# KiCad board FC_V5c.kicad_pcb
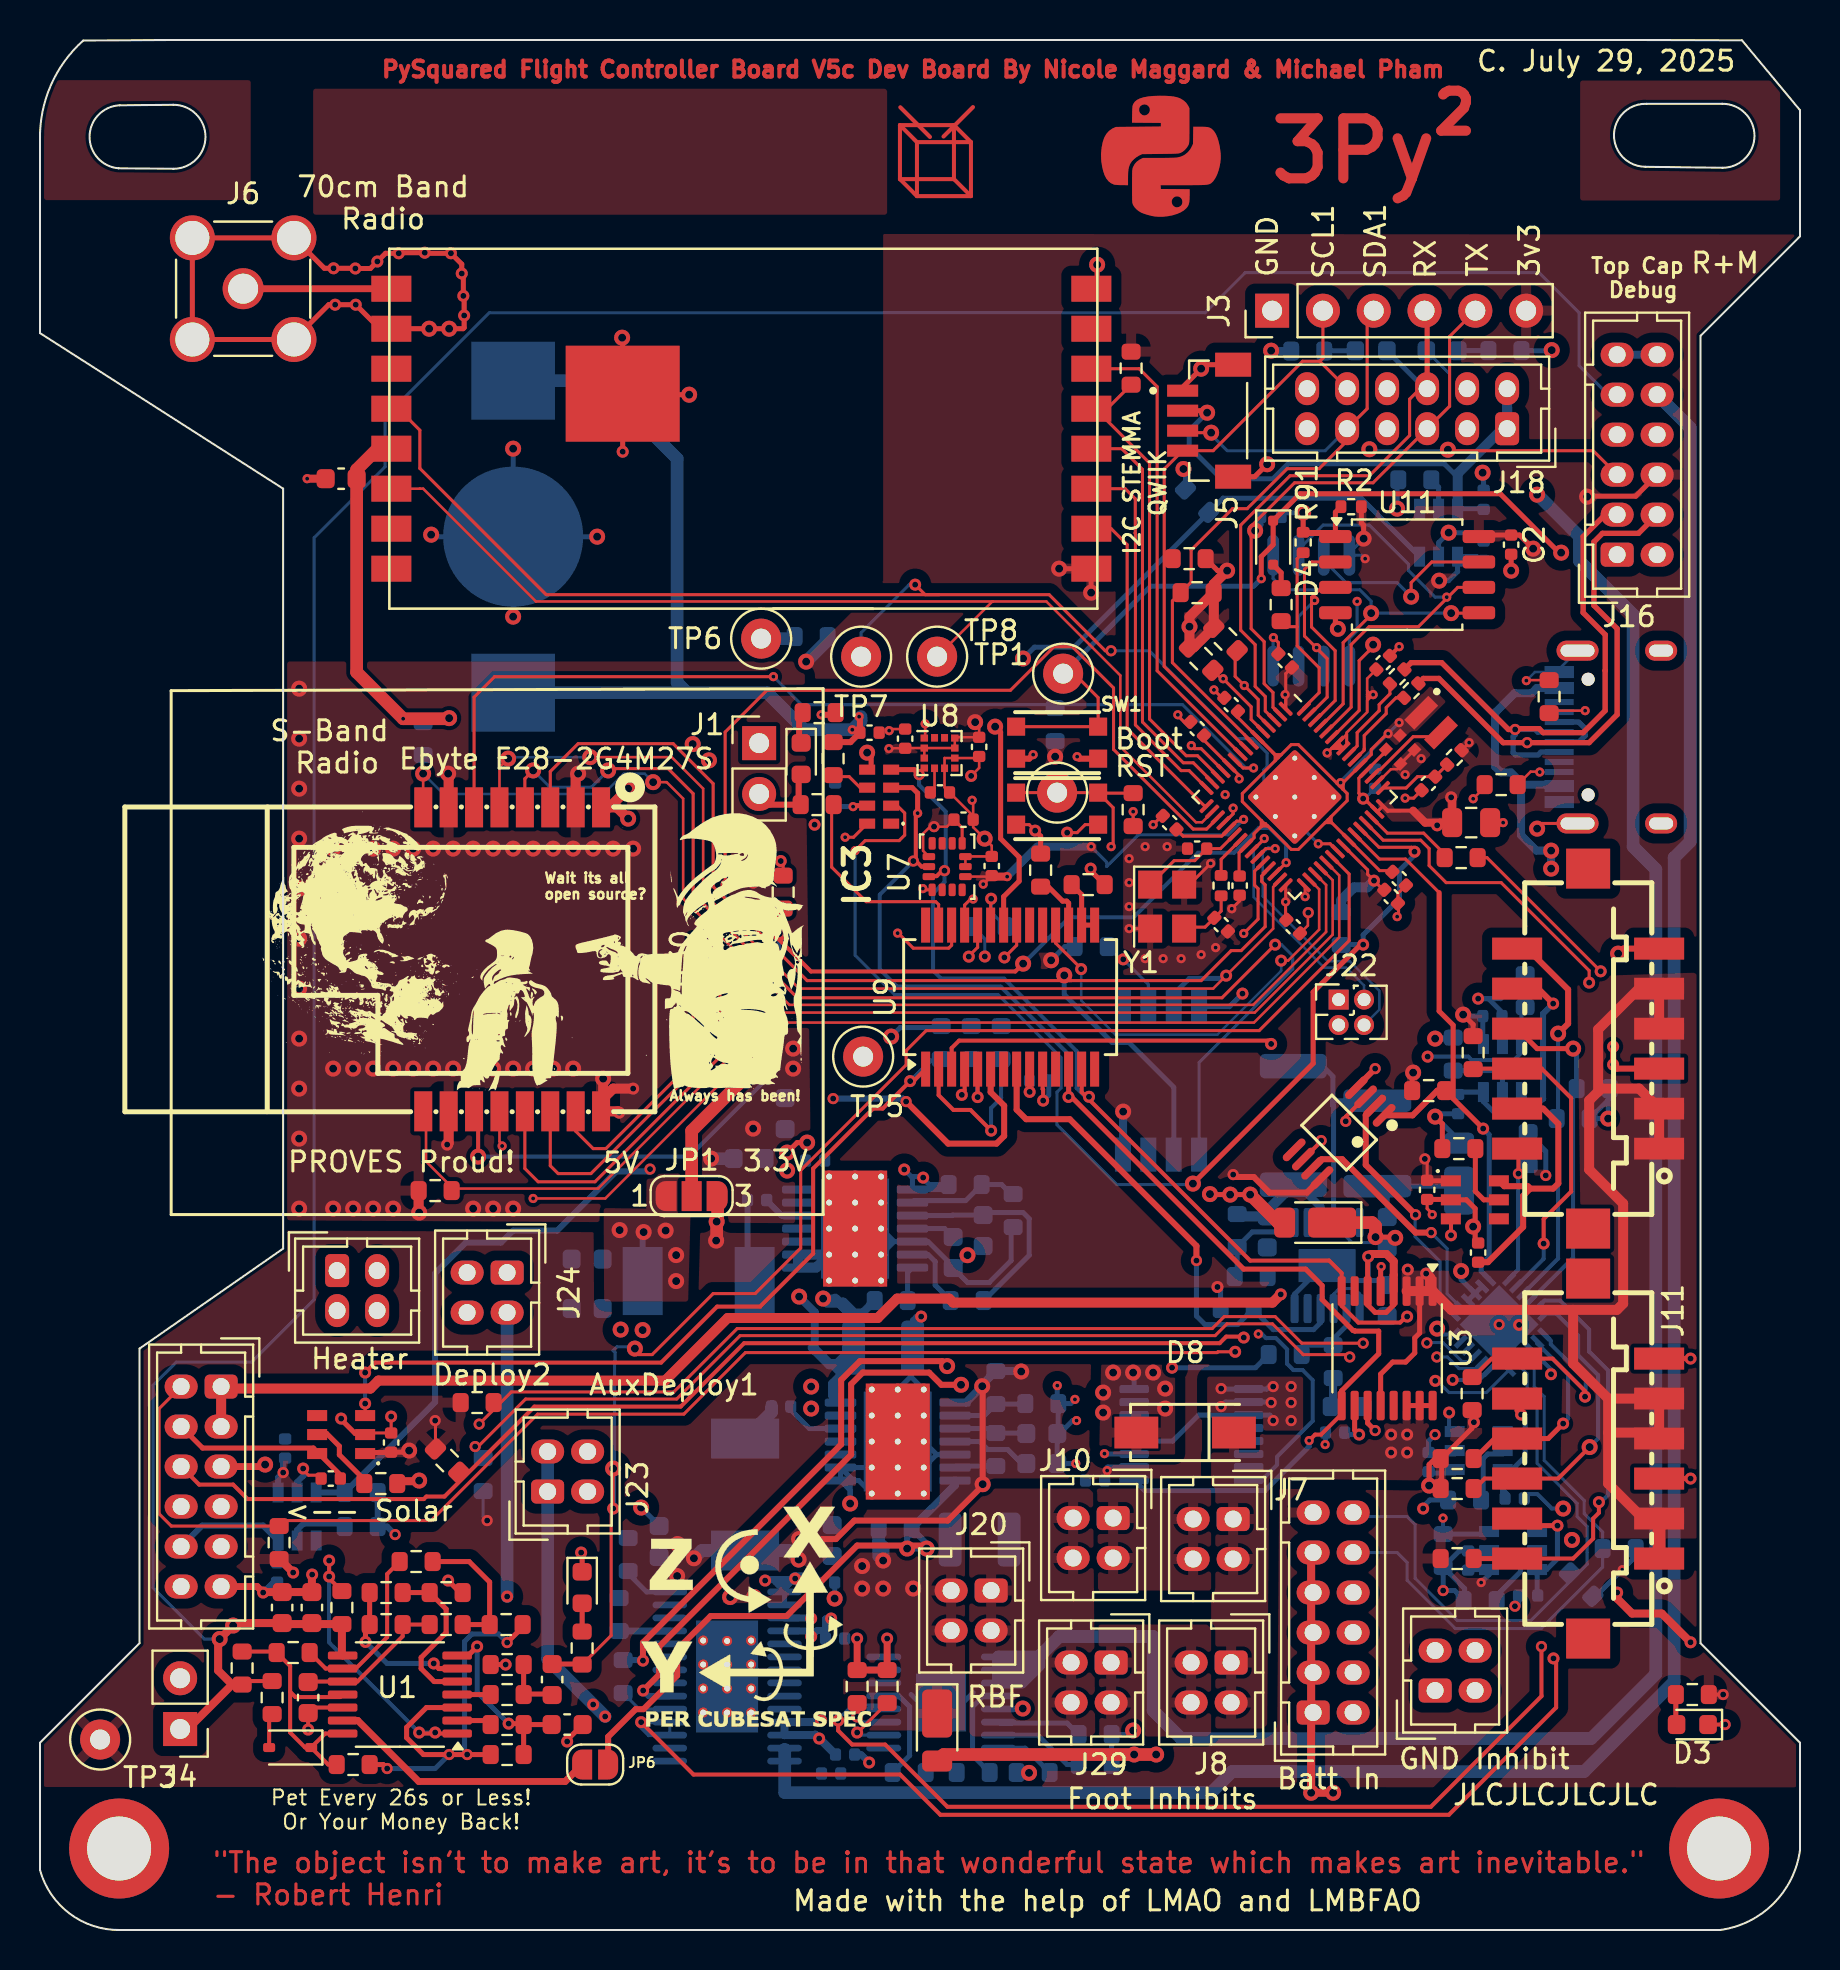
[diagram p0: board, top side]
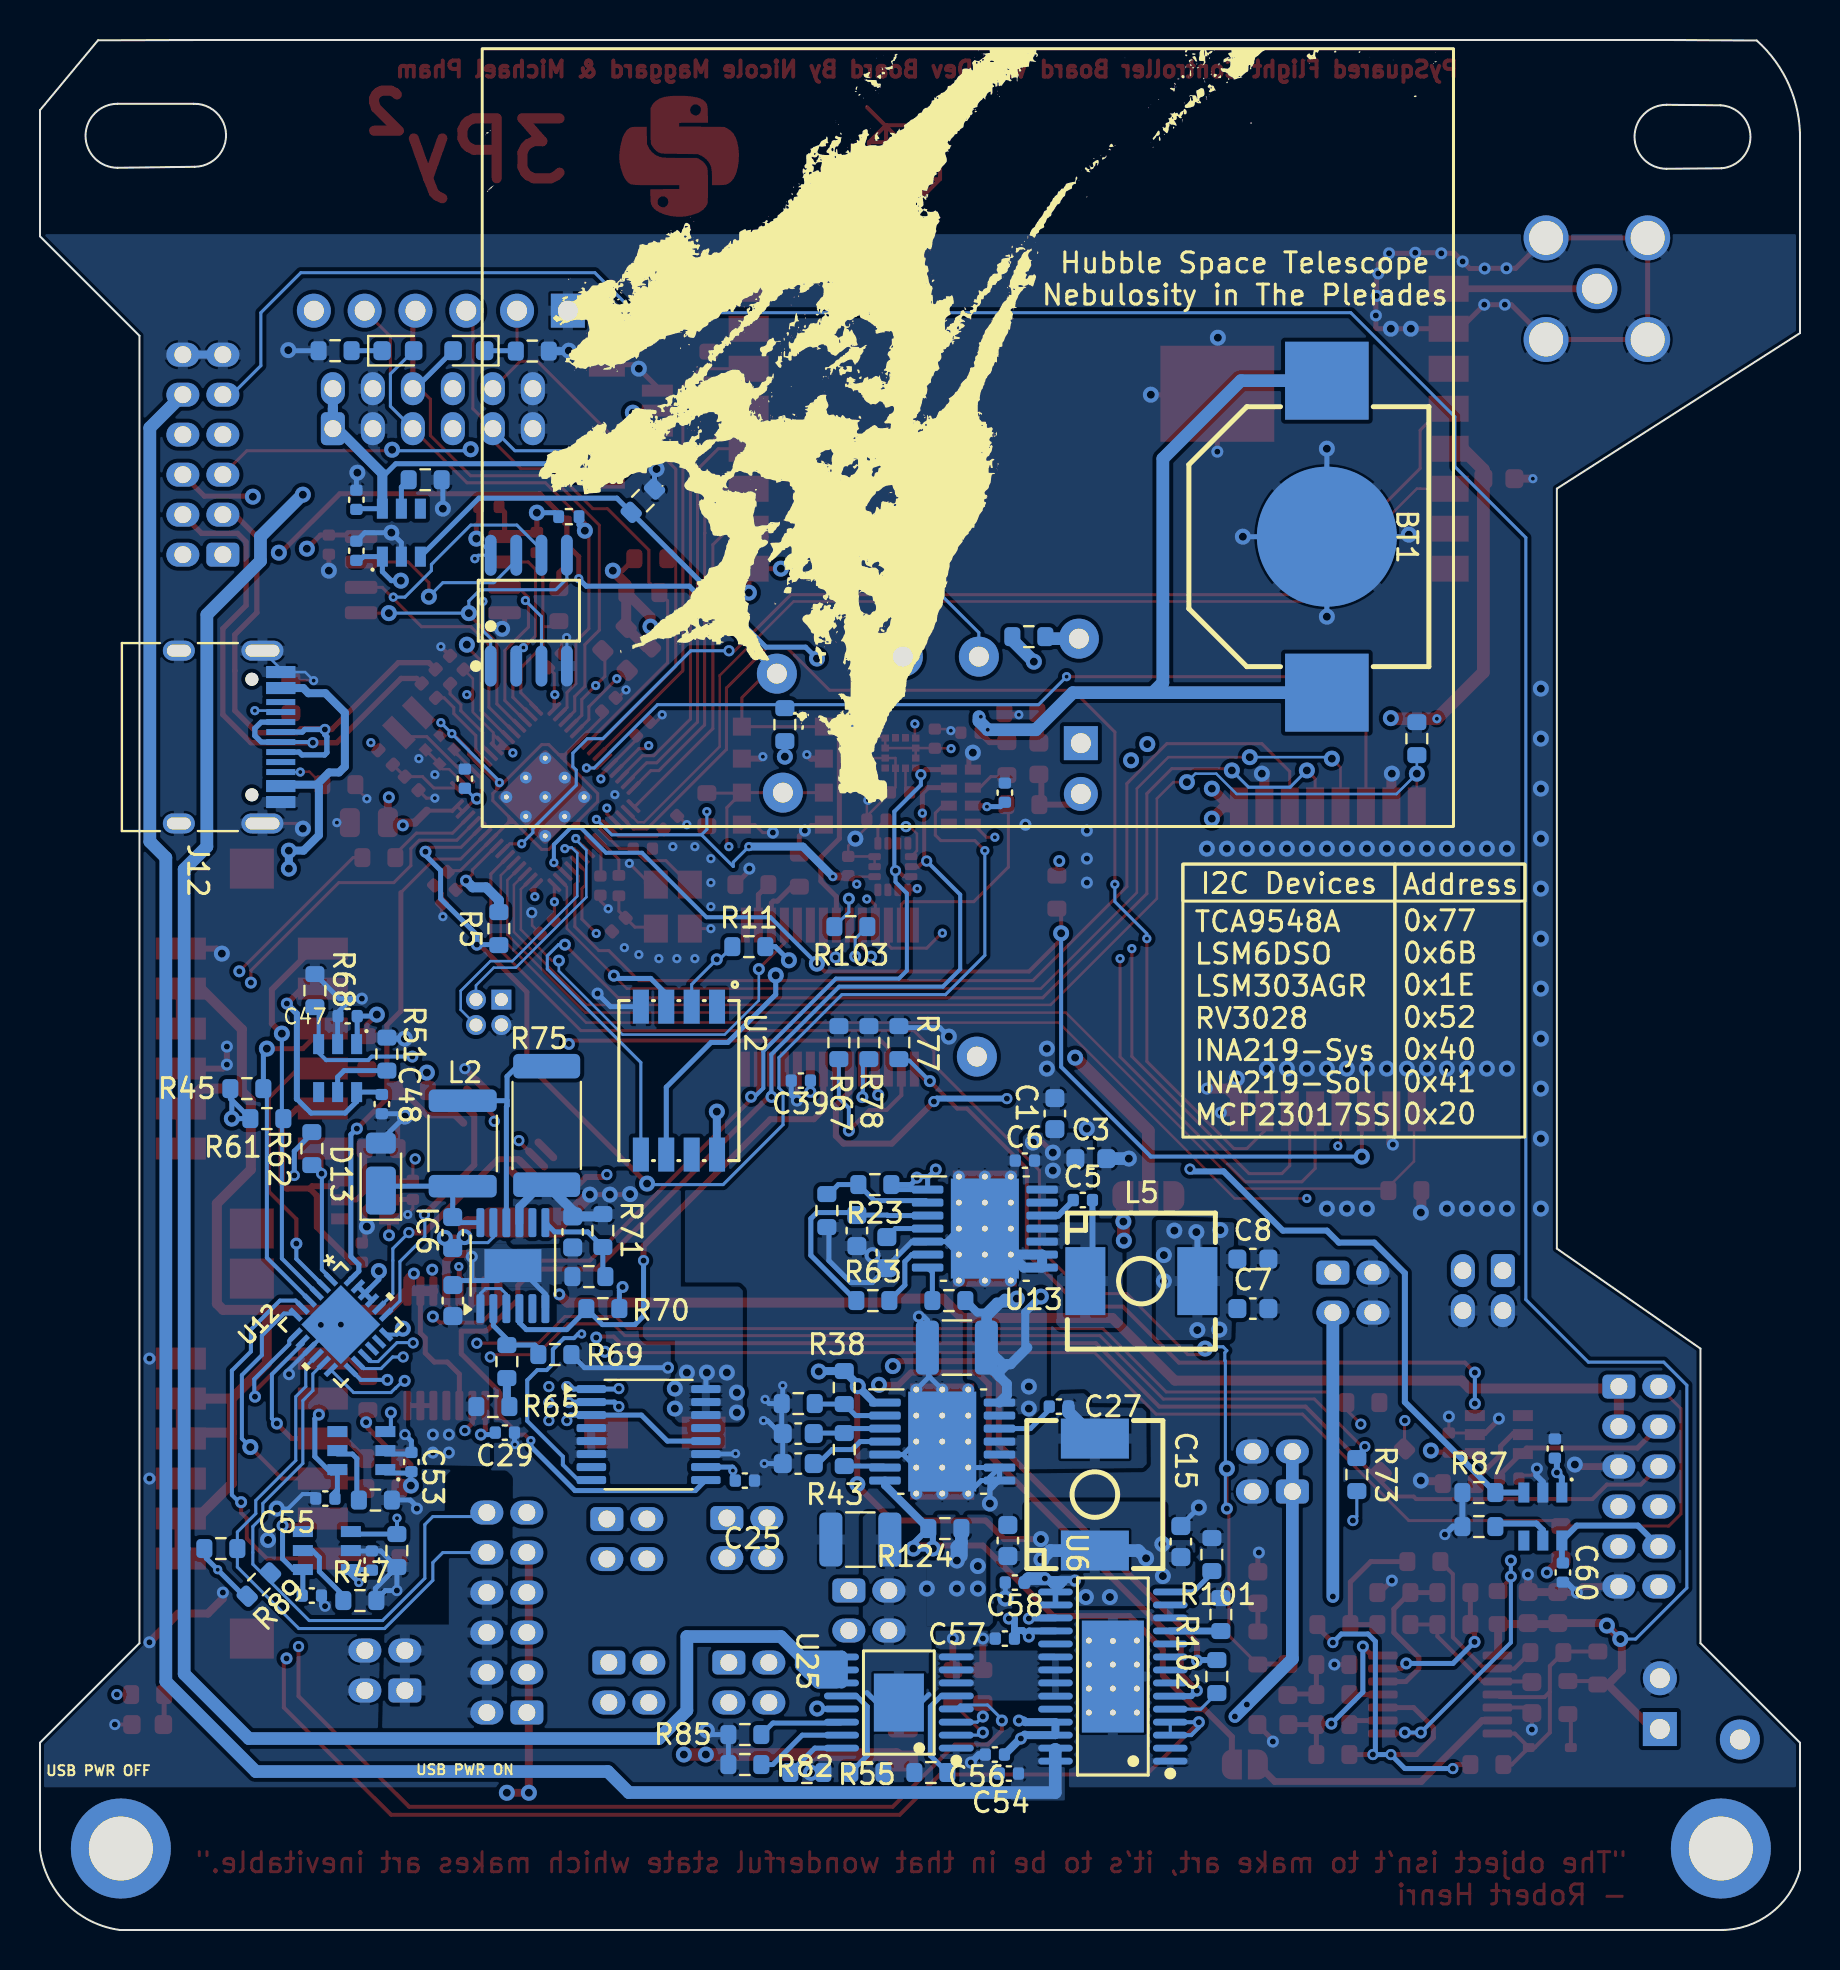
[diagram p1: board, bottom side, seen from below]

Outline 88 x 94.51 mm; copper layers: Top, In1.Cu, In2.Cu, Bottom. Coordinates in mm from the lower left corner of the outline.
Outline path: 0,89.5 arc(0.53,92.23) 2.16,94.49 6.63,94.51 79.66,94.51 85.1,94.5 88,91 88,84.69 83.03,79.72 83.03,14.34 88,9.36 88,4 arc(86.68,1.32) 84,0 4,0 arc(1.49,0.82) 0,3 0,9.36 4.98,14.34 4.98,29.07 12.16,34.07 12.16,72.07 0,79.85 0,89.5 ; 3.92,88.1 arc(2.48,89.69) 3.97,91.24 6.67,91.27 arc(8.27,89.67) 6.67,88.07 3.92,88.1 ; 80.27,88.17 arc(78.7,89.77) 80.32,91.32 84.12,91.32 arc(85.72,89.72) 84.12,88.12 80.27,88.17
Stack: Top 0.035mm / dielectric 0.2104mm FR4 er 4.5 / In1.Cu 0.0152mm / dielectric 1.065mm FR4 er 4.5 / In2.Cu 0.035mm / dielectric 0.2104mm FR4 er 4.5 / Bottom 0.035mm

## Placement (name value [footprint] x y rotation side)
BT1  MY-1220-03  [BAT-SMD_MY-1220-03]  23.66 69.67 270 bottom
C1  10uF  [C_0603_1608Metric]  37.26 40.82 90 bottom
C2  100n  [C_0402_1005Metric]  73.56 69.27 270 top
C3  10uF  [C_0603_1608Metric]  35.46 38.57 180 bottom
C4  1uF  [C_0603_1608Metric]  47.16 34.97 270 bottom
C5  100nf  [C_0402_1005Metric]  35.86 36.5 180 bottom
C6  100nf  [C_0402_1005Metric]  38.76 38.47 180 bottom
C7  22uF  [C_0603_1608Metric]  27.36 31.07 180 bottom
C8  22uF  [C_0603_1608Metric]  27.36 33.55 180 bottom
C9  3.3nF  [C_0603_1608Metric]  45.66 33.87 90 bottom
C14  10uF  [C_0603_1608Metric]  15.06 72.57 0 top
C15  22uF  [C_0603_1608Metric]  30.96 19.42 270 bottom
C16  22uF  [C_0603_1608Metric]  39.61 19.47 270 bottom
C18  100nf  [C_0402_1005Metric]  39.76 56.87 90 bottom
C19  100uF  [C_1210_3225Metric]  42.16 29.12 0 bottom
C20  10uF  [C_0603_1608Metric]  25.61 12.52 270 top
C21  10uF  [C_0603_1608Metric]  26.36 10.27 180 top
C22  10uF  [C_0603_1608Metric]  13.59 16.12 270 top
C23  10uF  [C_0603_1608Metric]  12.11 16.12 270 top
C24  10uF  [C_0603_1608Metric]  13.41 11.62 90 top
C25  100uF  [C_1210_3225Metric]  46.98 19.52 0 bottom
C26  100nf  [C_0402_1005Metric]  41.48 59.87 0 top
C27  100nf  [C_0402_1005Metric]  37.06 26.17 0 bottom
C29  100nf  [C_0402_1005Metric]  64.76 24.87 0 bottom
C30  100nf  [C_0402_1005Metric]  52.76 22.47 180 bottom
C31  220nf  [C_0402_1005Metric]  45 56.88 0 top
C32  100nf  [C_0402_1005Metric]  46.18 55.52 0 top
C33  100nf  [C_0402_1005Metric]  43.26 59.57 90 top
C34  100nf  [C_0402_1005Metric]  46.96 59.16 270 top
C35  100nf  [C_0402_1005Metric]  47.59 53.2 90 top
C36  3.3nF  [C_0603_1608Metric]  50.09 23.32 0 bottom
C37  1uF  [C_0603_1608Metric]  50.09 24.82 0 bottom
C38  100nf  [C_0402_1005Metric]  69.36 37.01 270 top
C39  100nf  [C_0402_1005Metric]  49.96 42.47 0 bottom
C40  10uF  [C_0603_1608Metric]  67.36 31.47 90 bottom
C41  1uF  [C_0603_1608Metric]  67.37 34.87 270 bottom
C42  10uF  [C_0603_1608Metric]  61.37 34.91 270 bottom
C44  100nf  [C_0402_1005Metric]  71.91 33.87 90 top
C47  100nf  [C_0402_1005Metric]  72.62 45.7 0 bottom
C48  100nf  [C_0402_1005Metric]  70.91 41.3 270 bottom
C49  100nf  [C_0402_1005Metric]  71.41 18.47 90 bottom
C50  100nf  [C_0402_1005Metric]  17.56 24.37 90 top
C51  100nf  [C_0402_1005Metric]  74.41 16.72 180 bottom
C52  100nf  [C_0402_1005Metric]  14.54 22.57 180 top
C53  100nf  [C_0402_1005Metric]  69.43 23.4 90 bottom
C54  220nf  [C_0402_1005Metric]  39.56 7.82 0 bottom
C55  100nf  [C_0402_1005Metric]  73.73 21.57 0 bottom
C56  220nf  [C_0402_1005Metric]  40.26 8.77 0 bottom
C57  220nf  [C_0402_1005Metric]  39.76 14.57 0 bottom
C58  220nf  [C_0402_1005Metric]  39.26 17.37 0 bottom
C59  100nf  [C_0402_1005Metric]  12.26 24.07 90 bottom
C60  100nf  [C_0402_1005Metric]  11.86 17.87 270 bottom
C63  15p  [C_0402_1005Metric]  57.86 54.07 180 top
C64  15p  [C_0402_1005Metric]  59.06 50.27 315 top
C65  4.7u  [C_0402_1005Metric_small_pads]  67.66 58.67 315 top
C66  4.7u  [C_0402_1005Metric_small_pads]  68.36 59.37 315 top
C67  100n  [C_0402_1005Metric]  67.96 52.57 315 top
C68  4.7u  [C_0402_1005Metric]  69.42 57.34 225 top
C69  4.7u  [C_0402_1005Metric]  59.56 61.27 135 top
C70  100n  [C_0402_1005Metric]  59.98 52.22 270 top
C71  100n  [C_0402_1005Metric]  56.48 55.37 135 top
C72  100n  [C_0402_1005Metric]  57.86 60.07 135 top
C73  100n  [C_0402_1005Metric]  62.26 63.47 135 top
C74  100n  [C_0402_1005Metric]  67.16 63.37 45 top
C75  10u  [C_0805_2012Metric]  71.56 55.37 0 top
C76  100n  [C_0402_1005Metric]  66.76 57.57 90 bottom
C77  100n  [C_0402_1005Metric]  67.56 51.67 315 top
C78  100n  [C_0402_1005Metric]  62.66 50.17 315 top
C79  100nf  [C_0402_1005Metric]  72.18 68.97 90 bottom
C80  100nf  [C_0402_1005Metric]  72.18 71.52 90 bottom
D1  LED  [LED_0603_1608Metric]  70.11 78.97 180 bottom
D2  LED  [LED_0603_1608Metric]  66.56 78.97 0 bottom
D3  LED  [LED_0603_1608Metric]  82.62 10.27 180 top
D4  NSR0320  [D_SOD-323F]  61.66 69.37 270 top
D5  LED  [LED_0603_1608Metric]  38.06 58.57 270 top
D6  GREEN  [LED_0603_1608Metric]  27.11 17.12 270 top
D7  1N4151WS  [D_SOD-323]  12.51 9.12 180 top
D8  KCMSH3-40MA  [SMA_L4.3-W2.5-LS5.0-FD]  57.26 24.87 0 top
D12  DFLS130L  [D_PowerDI-123]  63.76 35.37 180 top
D13  DFLS130L-7  [D_PowerDI-123]  70.96 37.82 90 bottom
D15  DFLS130L  [D_PowerDI-123]  44.86 9.97 270 top
G***  -  [LOGO]  56.03 88.1 0 top
G***#2  -  [LOGO]  56.03 88.1 0 top
G***#3  -  [LOGO]  23.74 49.37 0 top
G***#4  -  [LOGO]  27.66 89.07 0 top
G***#5  -  [LOGO]  42.96 74.77 180 bottom
H1  MountingHole  [unnamed]  3.96 4.07 0 top
H2  MountingHole  [unnamed]  83.96 4.07 0 top
IC3  RV-3028-C7_32.768kHz_1ppm_TA_QC  [RV3028C7]  41.96 56.67 90 top
IC6  LT3652IMSE#PBF  [MSOP-12-1EP_3x4mm_P0.65mm_EP1.65x2.85mm]  64.36 33.22 90 bottom
J1  Conn_01x02  [PinHeader_1x02_P2.54mm_Vertical#2]  35.96 59.35 0 top
J2  DF11CZ-12DP-2V(27)  [CONN-SMD_12P-P2.00_DF11CZ-12DP]  77.41 44.07 90 top
J3  Life Makes Lemonade  [PinHeader_1x06_P2.54mm_Vertical]  61.61 80.97 90 top
J4  Conn_01x02  [PinHeader_1x02_P2.54mm_Vertical]  7.01 10.05 180 top
J5  BM04B-SRSS-TB(LF)(SN)  [JST_BM04B-SRSS-TB(LF)(SN)]  59.66 75.47 270 top
J6  Conn_Coaxial  [SMA_Amphenol_901-144_Vertical]  10.16 82.07 0 top
J7  INHIBIT_P1  [Hirose_DF11-4DP-2DSA_2x02_P2.00mm_Vertical]  59.66 20.55 270 top
J8  INHIBIT_S1  [Hirose_DF11-4DP-2DSA_2x02_P2.00mm_Vertical]  59.56 13.37 270 top
J10  INHIBIT_P2  [Hirose_DF11-4DP-2DSA_2x02_P2.00mm_Vertical]  53.66 20.6 270 top
J11  DF11CZ-12DP-2V(27)  [CONN-SMD_12P-P2.00_DF11CZ-12DP]  77.41 23.57 90 top
J12  USB_C_Receptacle_USB2.0_16P  [USB_C_Receptacle_HRO_TYPE-C-31-M-12]  80.01 59.65 270 bottom
J14  Battery Input  [Hirose_DF11-12DP-2DSA_2x06_P2.00mm_Vertical]  63.66 10.87 90 top
J16  DEBUG  [Hirose_DF11-12DP-2DSA_2x06_P2.00mm_Vertical]  78.86 68.77 90 top
J17  Face4 (Z- Face)  [Hirose_DF11-12DP-2DSA_2x06_P2.00mm_Vertical]  9.06 27.17 270 top
J18  Payload  [Hirose_DF11-12DP-2DSA_2x06_P2.00mm_Vertical]  73.36 75.07 180 top
J19  ISS_INHIBIT  [Hirose_DF11-4DP-2DSA_2x02_P2.00mm_Vertical]  69.76 11.97 90 top
J20  RBF_Inhibit  [Hirose_DF11-4DP-2DSA_2x02_P2.00mm_Vertical]  47.56 16.97 270 top
J21  Heater Output  [Hirose_DF11-4DP-2DSA_2x02_P2.00mm_Vertical]  14.86 32.97 0 top
J22  SWD Port  [PinHeader_2x02_P1.27mm_Vertical]  64.93 46.52 0 top
J23  Aux Deploy 1  [Hirose_DF11-4DP-2DSA_2x02_P2.00mm_Vertical]  25.38 21.92 90 top
J24  Deploy 2  [Hirose_DF11-4DP-2DSA_2x02_P2.00mm_Vertical]  23.36 32.87 270 top
J29  INHIBIT_S2  [Hirose_DF11-4DP-2DSA_2x02_P2.00mm_Vertical]  53.56 13.37 270 top
JP1  Jumper_3_Bridged12  [SolderJumper-3_P1.3mm_Open_RoundedPad1.0x1.5mm_NumberLabels]  32.58 36.7 0 top
JP6  SolderJumper_2_Open  [SolderJumper-2_P1.3mm_Open_RoundedPad1.0x1.5mm]  27.76 8.27 0 top
L2  10uH  [L_1812_4532Metric]  66.87 39.33 90 bottom
L3  3.3u  [L_pol_2016]  69.56 60.37 315 top
L4  SPM6530T-3R3M-HZ  [IND-SMD_L7.1-W6.5]  35.26 21.77 90 bottom
L5  SPM6530T-4R7M-HZ  [IND-SMD_L7.1-W6.5-P5.60]  32.93 32.45 180 bottom
R1  10k  [R_0603_1608Metric]  54.66 56.02 90 top
R2  10k  [R_0402_1005Metric]  65.56 71.17 180 top
R3  1k  [R_0603_1608Metric]  63.38 78.95 180 bottom
R4  1k  [R_0603_1608Metric]  73.25 78.97 0 bottom
R5  10k  [R_0603_1608Metric]  65.06 50.07 90 bottom
R6  4.7k  [R_0603_1608Metric]  57.46 68.57 0 top
R7  22  [R_0402_1005Metric]  68.56 61.97 45 top
R8  22  [R_0402_1005Metric]  67.86 62.67 45 top
R9  DNF  [R_0402_1005Metric]  61.56 70.67 0 bottom
R10  1k  [R_0603_1608Metric]  62.06 66.27 90 top
R11  10k  [R_0603_1608Metric]  52.56 49.17 180 bottom
R12  1k  [R_0603_1608Metric]  38.96 60.87 0 top
R13  10k  [R_0603_1608Metric]  54.56 78.1 270 top
R14  10k  [R_0603_1608Metric]  38.56 64.67 0 bottom
R15  10K  [R_0603_1608Metric]  69.43 41.97 0 top
R16  10k  [R_0603_1608Metric]  23.31 15.27 180 top
R17  10k  [R_0603_1608Metric]  20.31 15.27 180 top
R18  10k  [R_0603_1608Metric]  17.31 15.27 180 top
R19  3.0k  [R_0603_1608Metric]  17.31 16.87 0 top
R20  3.0k  [R_0603_1608Metric]  20.31 16.87 0 top
R21  3.0k  [R_0603_1608Metric]  27.11 14.1 90 top
R22  10k  [R_0603_1608Metric]  23.36 13.27 180 top
R23  121k  [R_0603_1608Metric]  46.26 37.27 0 bottom
R24  10k  [R_0603_1608Metric]  52.41 52.27 180 top
R25  4.7k  [R_0603_1608Metric]  57.86 66.87 0 top
R26  5.1k  [R_0603_1608Metric]  75.46 61.67 270 top
R27  5.1k  [R_0603_1608Metric]  73.06 57.27 0 top
R28  10k  [R_0603_1608Metric]  23.36 11.77 180 top
R29  1k  [R_0603_1608Metric]  23.36 10.27 0 top
R30  100k  [R_0603_1608Metric]  23.36 8.77 0 top
R31  1k  [R_0603_1608Metric]  15.09 16.12 270 top
R32  100k  [R_0603_1608Metric]  18.81 18.42 0 top
R33  100k  [R_0603_1608Metric]  11.61 11.62 90 top
R34  100k  [R_0603_1608Metric]  12.66 13.87 180 top
R35  4.7M  [R_0603_1608Metric]  10.11 13.1 270 top
R36  100k  [R_0603_1608Metric]  15.66 8.27 0 top
R38  73.2K  [R_0603_1608Metric]  47.79 27.12 90 bottom
R39  4.7k  [R_0603_1608Metric]  58.06 63.57 135 top
R40  22.1K  [R_0603_1608Metric]  50.09 26.32 180 bottom
R41  4.7k  [R_0603_1608Metric]  59.27 64.56 135 top
R42  22.1K  [R_0603_1608Metric]  48.66 35.97 270 bottom
R43  100K  [R_0603_1608Metric]  47.79 24.02 90 bottom
R44  4.7k  [R_0603_1608Metric]  71.66 43.87 90 top
R45  4.7k  [R_0603_1608Metric]  77.66 42.07 0 bottom
R46  47k  [R_0603_1608Metric]  70.94 39.07 0 top
R47  47k  [R_0603_1608Metric]  72.01 16.47 0 bottom
R48  47k  [R_0603_1608Metric]  17.04 22.32 180 top
R49  47k  [R_0603_1608Metric]  71.23 21.5 0 bottom
R50  47k  [R_0603_1608Metric]  68.74 72.52 0 bottom
R51  47k  [R_0603_1608Metric]  70.66 43.8 270 bottom
R52  10k  [R_0603_1608Metric]  50.03 53 270 top
R53  4.7k  [R_0603_1608Metric]  70.86 22.07 180 top
R54  15k  [R_0603_1608Metric]  40.86 12.17 270 top
R55  15k  [R_0603_1608Metric]  49.66 7.87 180 bottom
R56  4.7k  [R_0603_1608Metric]  70.86 23.57 180 top
R57  4.7k  [R_0603_1608Metric]  20.36 23.47 135 top
R58  4.7k  [R_0603_1608Metric]  11.96 19.37 270 top
R59  4.7k  [R_0603_1608Metric]  71.61 26.82 270 top
R60  4.7k  [R_0603_1608Metric]  70.86 18.57 180 top
R61  4.7k  [R_0603_1608Metric]  76.66 40.57 0 bottom
R62  4.7k  [R_0603_1608Metric]  74.41 39.07 90 bottom
R63  100K  [R_0603_1608Metric]  46.36 31.47 180 bottom
R64  1k  [R_0603_1608Metric]  39.66 58.57 90 top
R65  100K  [R_0603_1608Metric]  65.36 26.17 180 bottom
R66  100k  [R_0603_1608Metric]  64.66 28.42 90 bottom
R67  100k  [R_0603_1608Metric]  48.06 44.37 270 bottom
R68  100k  [R_0603_1608Metric]  74.26 46.97 270 bottom
R69  94k  [R_0603_1608Metric]  62.26 28.77 0 bottom
R70  10K  [R_0603_1608Metric]  59.86 31.07 0 bottom
R71  634k  [R_0603_1608Metric]  59.86 34.97 90 bottom
R72  4.7k  [R_0603_1608Metric]  21.86 26.37 180 top
R73  4.7k  [R_0603_1608Metric]  22.16 22.77 270 bottom
R74  412k  [R_0603_1608Metric]  60.56 32.67 180 bottom
R75  0.1  [R_2512_6332Metric]  62.67 40.23 90 bottom
R76  100k  [R_0603_1608Metric]  70.16 18.97 90 bottom
R77  100k  [R_0603_1608Metric]  45.06 44.37 270 bottom
R78  100k  [R_0603_1608Metric]  46.56 44.37 270 bottom
R79  100k  [R_0603_1608Metric]  57.86 71.47 315 bottom
R80  100k  [R_0603_1608Metric]  82.62 11.77 180 top
R81  1k  [R_0603_1608Metric]  42.36 12.17 90 top
R82  15k  [R_0603_1608Metric]  52.76 8.27 180 bottom
R83  10k  [R_0603_1608Metric]  46.66 7.87 0 bottom
R84  10k  [R_0603_1608Metric]  43.46 7.87 180 bottom
R85  15k  [R_0603_1608Metric]  52.76 9.77 180 bottom
R86  47k  [R_0603_1608Metric]  16.06 20.17 180 bottom
R87  100k  [R_0603_1608Metric]  16.06 21.87 180 bottom
R88  4.7k  [R_0603_1608Metric]  78.96 19.07 0 bottom
R89  4.7k  [R_0603_1608Metric]  77.06 17.27 315 bottom
R90  10k  [R_0603_1608Metric]  50.76 60.27 270 bottom
R91  0  [R_0402_1005Metric]  63.16 69.38 90 top
R92  100k  [R_0603_1608Metric]  37.16 51.9 270 top
R93  1k  [R_0402_1005Metric]  59.06 52.22 270 top
R94  33  [R_0402_1005Metric]  70.72 58.64 225 top
R95  100k  [R_0603_1608Metric]  19.76 36.97 180 top
R96  100k  [R_0603_1608Metric]  19.16 59.57 90 bottom
R97  100k  [R_0603_1608Metric]  38.86 56.27 0 top
R100  4.7K  [R_0603_1608Metric]  29.16 12.67 90 bottom
R101  100k  [R_0603_1608Metric]  29.41 18.77 90 bottom
R102  1k  [R_0603_1608Metric]  28.96 15.77 90 bottom
R103  4.7K  [R_0603_1608Metric]  47.46 50.17 0 bottom
R104  4.7K  [R_0603_1608Metric]  71.06 53.62 180 top
R124  10k  [R_0603_1608Metric]  42.76 20.07 0 bottom
R125  10k  [R_0603_1608Metric]  42.56 31.47 0 bottom
REF**  Val**  [XYZ_cubesat-top]  35.86 15.07 0 top
SW1  KMR2  [BTN_KMR2_4.6X2.8]  50.86 59.37 0 top
SW2  KMR2  [BTN_KMR2_4.6X2.8]  50.86 56.07 0 top
TP1  USBBOOT  [TestPoint_Loop_D1.80mm_Drill1.0mm_Beaded]  51.16 62.82 0 top
TP2  RESET  [TestPoint_Loop_D1.80mm_Drill1.0mm_Beaded]  50.86 56.87 0 top
TP3  TestPoint  [TestPoint_Loop_D1.80mm_Drill1.0mm_Beaded]  3.01 9.52 0 top
TP5  TestPoint  [TestPoint_Loop_D1.80mm_Drill1.0mm_Beaded]  41.16 43.67 0 top
TP6  RESET  [TestPoint_Loop_D1.80mm_Drill1.0mm_Beaded]  36.06 64.57 270 top
TP7  RESET  [TestPoint_Loop_D1.80mm_Drill1.0mm_Beaded]  41.06 63.67 0 top
TP8  RESET  [TestPoint_Loop_D1.80mm_Drill1.0mm_Beaded]  44.86 63.67 0 top
U1  TLV1704  [TSSOP-14_4.4x5mm_P0.65mm]  17.99 11.77 180 top
U2  ZDSD04GLGEAG  [LGA-8_L8.0-W6.0-P1.27-TL-1]  56.06 42.47 270 bottom
U3  INA260  [TSSOP-16_4.4x5mm_P0.65mm]  67.36 29.09 270 top
U4  -  [RFM98PW]  35.17 74.57 180 top
U5  APS1604M-3SQR-SN_C18214056  [SOIC-8_L4.9-W3.9-P1.27-LS6.0-BL]  63.56 65.97 180 bottom
U6  TPS4H160AQPWPRQ1  [HTSSOP-28_L9.7-W4.4-P0.65-LS6.4-BL-EP]  34.36 12.67 90 bottom
U7  LSM6DSOTR  [LGA-14_3x2.5mm_P0.5mm_LayoutBorder3x4y]  45.36 53.17 90 top
U8  LSM303AGRTR  [LGA-12_2x2mm_P0.5mm]  44.98 58.85 0 top
U9  MCP23017_SS  [SSOP-28_5.3x10.2mm_P0.65mm]  48.51 46.65 90 top
U10  TPS54226PWPRPWP14_2P31X2P46-L  [HTSSOP-14-1EP_4.4x5mm_P0.65mm_EP3.4x5mm_Mask3x3.1mm_ThermalVias]  42.89 24.42 180 bottom
U11  W25Q128JVS  [SOIC-8_5.3x5.3mm_P1.27mm]  68.36 67.77 0 top
U12  TCA9548ARGERQ1  [QFN_GERQ1_TEX]  72.96 30.27 225 bottom
U13  TPS54225PWPR  [HTSSOP-14-1EP_4.4x5mm_P0.65mm_EP3.4x5mm_Mask3x3.1mm_ThermalVias]  40.76 35.07 180 bottom
U14  TCA4307DGKR  [VSSOP-8_L3.0-W3.0-P0.65-LS4.9-BL]  64.96 39.87 135 top
U18  RP2350_60QFN  [RP2350-QFN-60-1EP_7x7_P0.4mm_EP3.4x3.4mm_ThermalVias]  62.74 56.66 315 top
U19  AP22653AW6-7  [SOT26]  71.74 36.51 270 top
U21  AP22653AW6-7  [SOT26]  73.12 43.1 0 bottom
U22  AP22653AW6-7  [SOT26]  73.66 18.97 90 bottom
U23  AP22653AW6-7  [SOT26]  15.06 24.77 90 top
U24  AP22653AW6-7  [SOT26]  71.93 23.97 90 bottom
U25  TPS2HB50AQPWPRQ1  [HTSSOP-16_L5.0-W4.4-P0.65-LS6.4-BL-EP-2]  45.06 11.37 90 bottom
U26  INA260  [TSSOP-16_4.4x5mm_P0.65mm]  57.57 24.77 180 bottom
U27  AP22653AW6-7  [SOT26]  12.86 20.67 0 bottom
U29  AP22653AW6-7  [SOT26]  69.93 69.87 180 bottom
U30  E28-2G4M27S  [WIRELM-SMD_E28-2G4M2XS]  23.6 48.54 270 top
Y1  ABM8-272-T3  [Crystal_SMD_3225-4Pin_3.2x2.5mm]  56.36 51.17 270 top
